# Altium PCB UHF-QM.PcbDoc (part 2 of 2)
Units mm, origin at the board's own origin, x right, y up, seen from the top; angles counter-clockwise.
Board outline 90.12 x 93.93 mm, 4 copper layers (Top Layer, Inner 1 GND, Inner 2 GND, Bottom Layer), stack 1.516 mm thick; 112 components, 73 nets, 469 pads, 219 vias.
Unrouted connection lines stored in the file: 5.
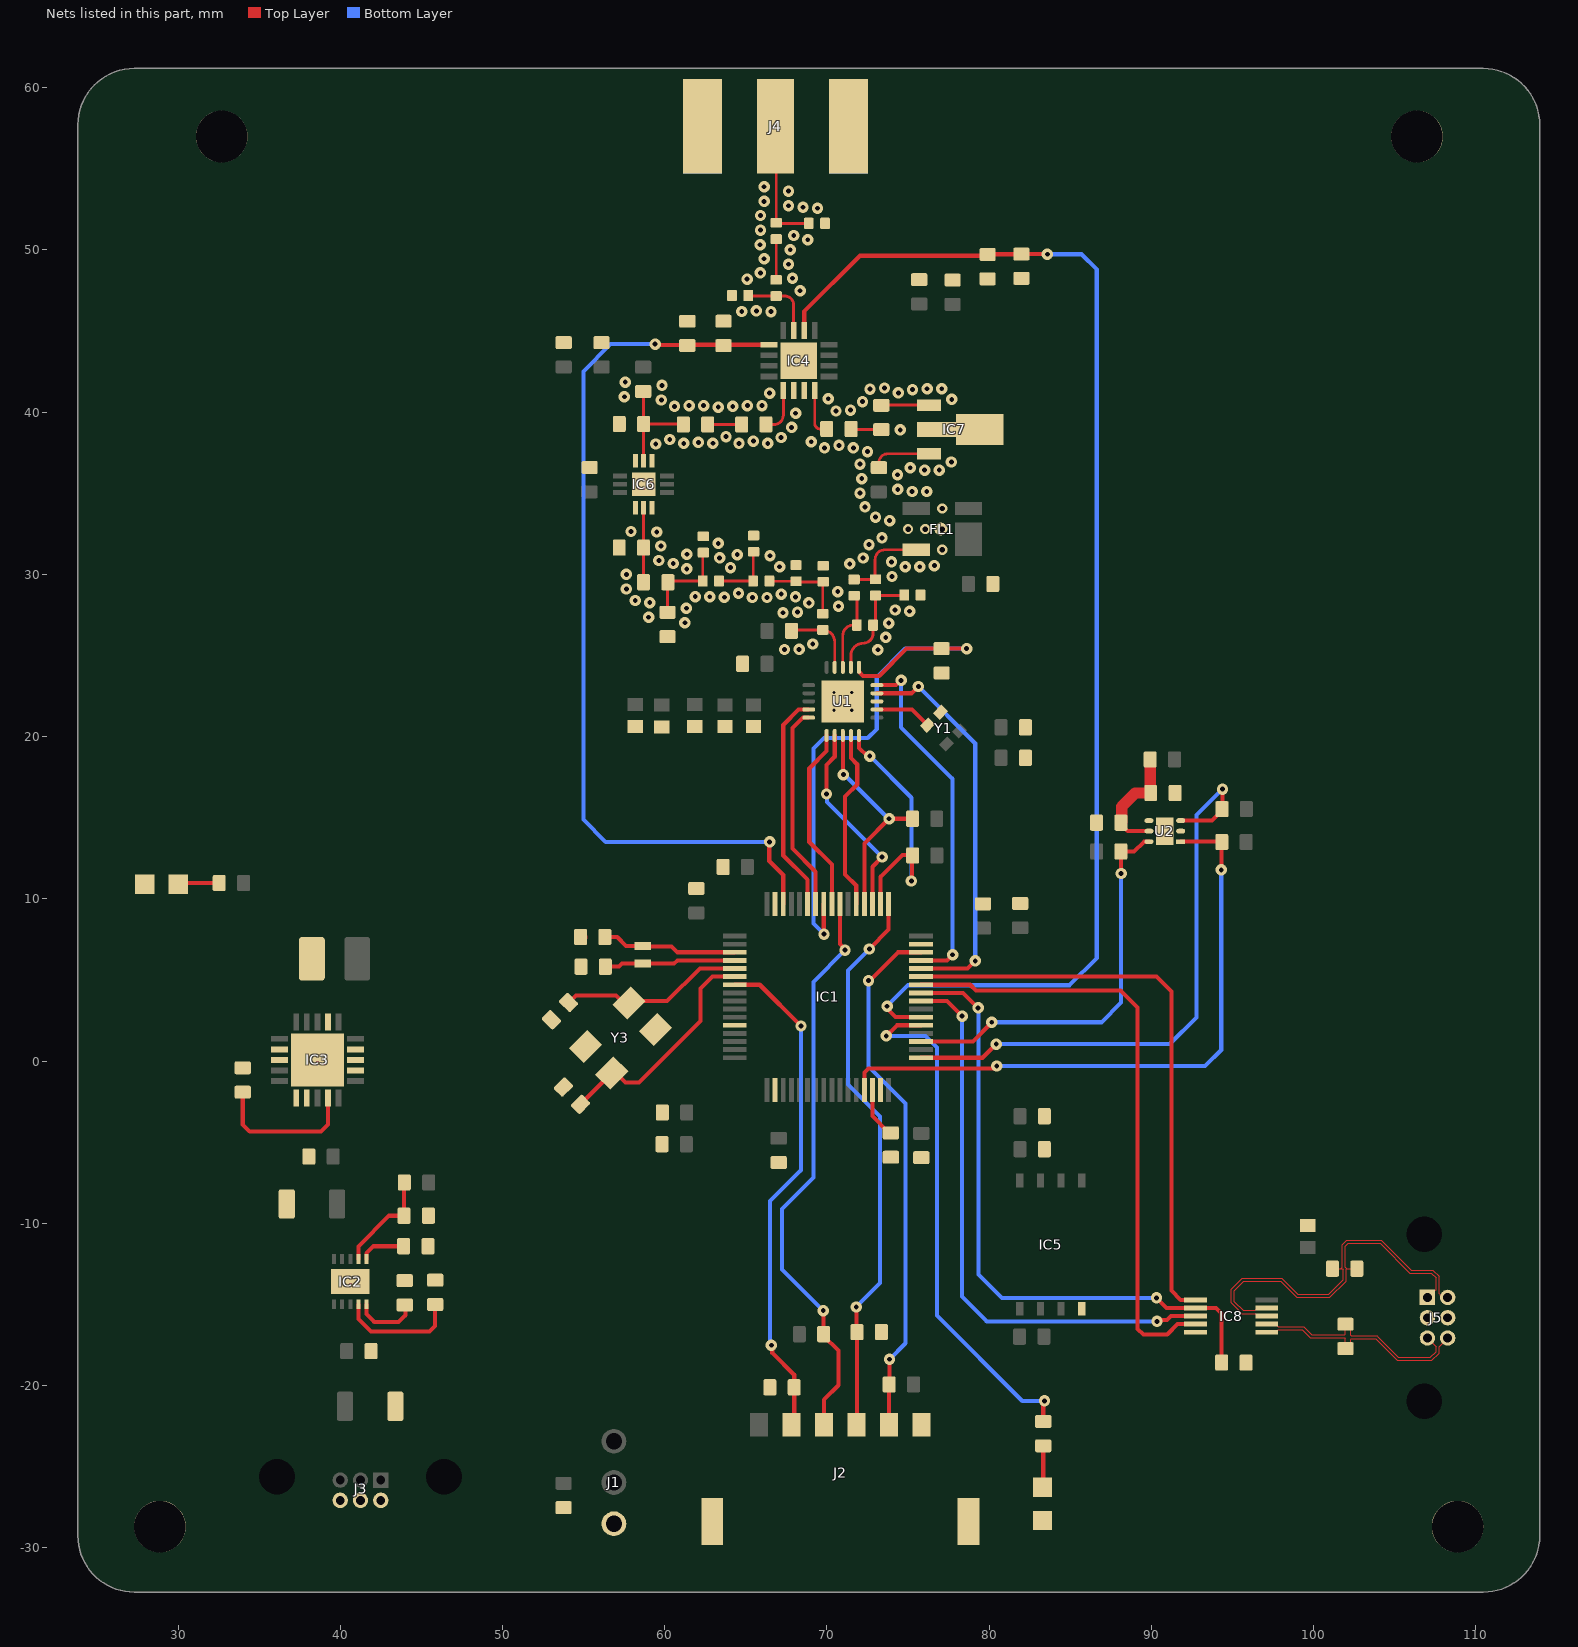
[diagram p4: the nets of this part, all layers, seen from the top]

## Via types
v1: diameter 0.7, hole 0.3, Top Layer to Bottom Layer, 210 vias
v2: diameter 0.63, hole 0.33, Top Layer to Bottom Layer, tented both sides, 5 vias
v3: diameter 0.5, hole 0.2, Top Layer to Bottom Layer, tented both sides, 4 vias

## Nets (pads, with @x,y where several pads share a name; then routed paths per layer and width w, separated by ;. In a path a pad name is that pad's centre, name@x,y a point inside that pad or via, vN(x,y) a via of type N, cw(c..) or ccw(c..) an arc to the next point about the centre after c; other vN are vias at no path point) (continued)
GND: C1.1 C2.1 C3.2 C5.1 C6.1 C7.1 C8.2 C9.2 C10.2 C11.2 C12.2 C13.2 C14.1 C15.1 C16.2 C17.1 C18.1 C19.1 C20.1 C21.1 C22.1 C23.2 C24.2 C25.1 C26.1 C27.1 C28.1 C29.1 C30.1 C31.1 C32.1 C33.1 C34.1 C35.1 C36.2 C37.2 C39.1 C40.1 C43.2 C44.2 C45.1 C46.1 C47.1 C48.1 C49.2 C50.2 C51.2 C54.1 C55.1 C56.1 C60.1 C61.2 FL1.5 IC1.12 IC1.18 IC1.31 IC1.47 IC1.63 IC2.11 IC3.2 IC3.7 IC3.8 IC3.11 IC3.12 IC3.17 IC3.18 IC3.19 IC3.21 IC4.10 IC4.11 IC4.17 IC5.4 IC6.1 IC6.3 IC6.7 IC6.9 IC6.13 IC7.2 IC7.4 IC8.5 J1.3 J2.6 J2.7 J2.8 J3.4 J3.5 J3.6 J4.2 J5.2 J5.5 L4.2 L7.1 LED1.2 LED2.2 pad.1@28.88,-28.702 pad.1@32.69,56.998 pad.1@106.375,56.998 pad.1@108.88,-28.702 R3.2 R4.1 R7.2 R8.2 R10.2 R11.1 R19.2 U1.18 U1.21 U2.2 U2.4 U2.7 Y1.2 Y3.2 Y3.4 | length 0
  Top Layer w0.7: C15.1@54.825,5.829 C15.1@54.837,5.817 ; C14.1@54.876,7.645 C14.1@54.889,7.633
  other v1: 73.143,25.357 67.39,25.371 68.29,25.377 69.126,25.711 73.625,26.117 73.809,26.998 61.244,27.015 59.009,27.36 67.292,27.638 68.191,27.676 75.1,27.727 74.204,27.807 61.336,27.91 70.715,28.036 59.078,28.257 68.888,28.245 58.187,28.39 65.407,28.579 66.307,28.579 63.681,28.591 68.067,28.612 61.882,28.626 62.782,28.618 67.183,28.784 64.546,28.841 70.67,28.935 57.636,29.101 74.011,29.872 57.64,30.001 61.359,30.341 64.056,30.417 67.085,30.474 74.827,30.471 75.727,30.471 76.624,30.539 71.411,30.646 60.524,30.675 73.978,30.771 59.642,30.856 63.384,31.016 72.233,31.014 66.49,31.149 64.469,31.216 61.371,31.241 59.762,31.748 72.596,31.838 63.3,31.912 73.395,32.251 59.509,32.611 57.921,32.645 73.865,33.311 72.993,33.533 72.353,34.166 72.039,35.009 75.257,35.112 76.157,35.112 74.367,35.241 72.148,35.902 74.349,36.141 76.027,36.428 76.927,36.428 75.139,36.572 72.039,36.796 77.674,36.93 72.499,37.569 69.854,37.8 71.629,37.8 70.742,37.951 59.45,38.042 61.177,38.079 62.973,38.082 64.577,38.079 66.356,38.079 62.075,38.139 69.039,38.181 65.466,38.216 60.308,38.313 67.181,38.439 63.776,38.49 74.519,38.913 67.826,39.067 68.07,39.933 70.56,40.069 71.458,40.127 63.299,40.313 60.605,40.358 64.198,40.358 61.504,40.401 62.404,40.407 65.097,40.401 65.997,40.407 72.191,40.65 59.796,40.753 77.694,40.787 70.081,40.831 57.513,40.954 66.47,41.172 74.403,41.188 75.28,41.389 72.658,41.419 76.178,41.448 77.078,41.443 73.555,41.489 59.832,41.652 57.571,41.852 64.754,46.205 66.553,46.202 65.654,46.242 68.35,47.489 65.082,48.205 67.882,48.257 65.896,48.59 67.629,49.121 66.128,49.459 67.744,50.014 65.882,50.325 68.819,50.626 67.958,50.888 65.909,51.225 65.91,52.125 69.422,52.574 68.524,52.632 67.629,52.725 66.128,52.998 67.629,53.625 66.128,53.898
  other v2: 77.114,31.521 75.006,32.791 76.06,32.791 77.114,32.791 77.114,34.061
  other v3: 70.431,21.62 71.531,21.62 70.431,22.72 71.531,22.72
GPIO_1: IC1.37 R20.2 | length 32.5
  Top Layer w0.254: v1(73.66,1.549) 74.312,2.202 IC1.37@75.796,2.202 ; R20.2@83.337,-22.225 83.337,-21.031 v1(83.414,-20.955)
  Bottom Layer w0.254: v1(73.66,1.549) 76.073,1.549 76.784,0.838 76.784,-15.697 82.042,-20.955 v1(83.414,-20.955)
HSE_IN: C13.1 IC1.5 Y3.3 | length 11.5
  Top Layer w0.254: C13.1@54.074,3.604 54.098,3.604 54.533,4.039 57.007,4.039 57.464,3.582 Y3.3@57.798,3.582 57.904,3.688 60.152,3.688 62.166,5.702 IC1.5@64.32,5.702
HSE_OUT: C16.1 IC1.6 Y3.1 | length 14.4
  Top Layer w0.254: C16.1@54.813,-2.667 56.737,-0.743 Y3.1@56.737,-0.731 56.992,-0.731 57.582,-1.321 58.42,-1.321 62.205,2.464 62.205,4.47 62.936,5.202 IC1.6@64.32,5.202
LNAIN: C59.2 IC7.1 | length 2.9
  Top Layer w0.175: C59.2@73.355,40.437 IC7.1@76.289,40.437
  Top Layer w0.18: C59.2@73.355,40.425 C59.2@73.355,40.437
Lnaout: C58.1 IC7.3 | length 3.7
  Top Layer w0.175: C58.1@73.203,36.577 73.203,36.881 cw(c73.761,36.881) 73.761,37.439 IC7.3@76.289,37.439
LSE_IN: C14.2 IC1.3 Y2.1 | length 8.4
  Top Layer w0.254: C14.2@56.312,7.645 57.074,7.645 57.619,7.1 Y2.1@58.65,7.1 58.689,7.061 60.427,7.061 60.786,6.702 IC1.3@64.32,6.702
LSE_OUT: C15.2 IC1.4 Y2.2 | length 8.1
  Top Layer w0.254: C15.2@56.337,5.817 57.175,5.817 57.359,6 60.585,6 60.786,6.202 IC1.4@64.32,6.202
NetC4_2: C4.2 C5.2 L2.1 L4.1 | length 5.4
  Top Layer w0.175: C4.2@69.748,27.576 L4.1@69.748,29.515 ; L2.1@66.456,29.574 L2.1@66.456,29.591 L2.1@66.456,29.574 ; L2.1@66.456,29.574 C5.2@68.097,29.574 ; C5.2@68.097,29.574 ccw(c68.131,29.574) C5.2@68.131,29.54 ; C5.2@68.097,29.574 ccw(c68.131,29.574) C5.2@68.131,29.54 ; C5.2@68.131,29.54 L4.1@69.774,29.54 ; L4.1@69.748,29.515 cw(c69.774,29.515) L4.1@69.774,29.54 ; L4.1@69.748,29.515 cw(c69.774,29.515) L4.1@69.774,29.54
NetC6_2: C6.2 L2.2 L3.1 | length 4
  Top Layer w0.175: L3.1@63.348,29.591 L2.2@65.456,29.591 C6.2@65.456,31.369 ; C6.2@65.456,31.369 cw(c65.481,31.369) C6.2@65.481,31.394 ccw(c65.481,31.369) C6.2@65.456,31.369
NetC23_1: C23.1 IC2.6 | length 2.8
  Top Layer w0.254: IC2.6@41.618,-12.201 41.618,-11.849 42.05,-11.417 C23.1@43.907,-11.417
NetC24_1: C24.1 IC2.4 | length 7.4
  Top Layer w0.254: IC2.4@41.118,-15.001 41.118,-15.907 41.897,-16.686 45.497,-16.686 45.851,-16.332 C24.1@45.851,-15.014
NetC25_2: C25.2 IC2.7 R9.2 | length 6.4
  Top Layer w0.254: IC2.7@41.118,-12.201 41.118,-11.434 43.015,-9.537 C25.2@43.932,-9.537 43.94,-9.53 43.94,-7.493 R9.2@43.947,-7.486
NetC26_2: C26.2 IC3.14 | length 9.2
  Top Layer w0.254: C26.2@33.985,-1.918 33.985,-3.912 34.417,-4.343 38.811,-4.343 39.243,-3.912 IC3.14@39.243,-2.286
NetC38_1: C38.1 L5.2 | length 2.5
  Top Layer w0.175: L5.2@66.87,48.158 66.878,48.158 C38.1@66.878,50.673
NetC38_2: C38.2 C40.2 J4.1 | length 8.1
  Top Layer w0.175: C40.2@68.885,51.638 C38.2@66.913,51.638 ; C38.2@66.878,51.673 ccw(c66.913,51.673) C38.2@66.913,51.638 ; C38.2@66.878,51.673 ccw(c66.913,51.673) C38.2@66.913,51.638 ; C38.2@66.878,51.673 J4.1@66.878,57.582 ; J4.1@66.878,57.582 ccw(c66.827,57.582) J4.1@66.827,57.633 cw(c66.827,57.582) J4.1@66.878,57.582
NetC39_2: C39.2 IC4.3 L5.1 | length 4.8
  Top Layer w0.175: IC4.3@67.95,45.03 67.95,46.604 ccw(c67.386,46.604) 67.386,47.168 L5.1@66.87,47.168 ; C39.2@65.186,47.158 cw(c65.186,47.193) C39.2@65.151,47.193 ccw(c65.186,47.193) C39.2@65.186,47.158 ; C39.2@65.186,47.158 L5.1@66.87,47.158 ; L5.1@66.87,47.158 L5.1@66.87,47.168 ; L5.1@66.87,47.158 L5.1@66.87,47.168
NetC47_2: C47.2 C48.2 R13.1 U2.5 | length 7.1
  Top Layer w0.254: C48.2@88.124,14.594 88.545,14.173 U2.5@89.854,14.173
  Top Layer w0.7: C48.2@88.124,14.694 88.174,14.744 88.174,15.682 89.014,16.523 C47.2@89.965,16.523 ; C47.2@89.928,16.56 R13.1@89.928,18.593
NetIC2_5: IC2.5 R8.1 | length 4.1
  Top Layer w0.254: IC2.5@41.618,-15.001 41.618,-15.607 42.097,-16.086 43.597,-16.086 44.011,-15.672 44.011,-15.179 R8.1@43.871,-15.039
NetLED1_1: LED1.1 R20.1 | length 2.6
  Top Layer w0.254: LED1.1@83.292,-26.271 83.337,-26.226 R20.1@83.337,-23.725
NetLED2_1: LED2.1 R21.1 | length 2.6
  Top Layer w0.254: LED2.1@30.004,10.903 30.074,10.973 R21.1@32.536,10.973
NRST: C17.2 IC1.7 J2.2 | length 31.2
  Top Layer w0.254: IC1.7@64.32,4.702 65.859,4.702 v1(68.402,2.159) ; v1(66.573,-17.526) 66.633,-17.586 66.633,-17.992 67.984,-19.343 67.984,-22.25 J2.2@67.824,-22.41
  Bottom Layer w0.254: v1(66.573,-17.526) 66.497,-17.45 66.497,-8.636 68.402,-6.731 v1(68.402,2.159)
PA_IN: C7.2 C52.2 L3.2 L7.2 | length 6
  Top Layer w0.175: L7.2@60.173,27.661 C52.2@60.173,29.489 ; C52.2@60.173,29.489 cw(c60.198,29.489) C52.2@60.198,29.515 ; C52.2@60.173,29.489 cw(c60.198,29.489) C52.2@60.198,29.515 ; C52.2@60.198,29.515 cw(c60.274,29.515) C52.2@60.274,29.591 ; C52.2@60.198,29.515 cw(c60.274,29.515) C52.2@60.274,29.591 ; C52.2@60.274,29.591 L3.2@62.348,29.591 C7.2@62.348,31.309 ; C7.2@62.348,31.309 cw(c62.382,31.309) C7.2@62.382,31.344 ccw(c62.382,31.309) C7.2@62.348,31.309
PA_IN_2: C52.1 C54.2 IC6.2 | length 4.6
  Top Layer w0.175: C52.1@58.698,29.515 C54.2@58.698,31.65 IC6.2@58.698,34.11
  Top Layer w0.18: IC6.2@58.698,34.11 IC6.2@58.699,34.11 IC6.2@58.698,34.11
PAout: C53.2 C55.2 IC6.8 L6.1 | length 6.8
  Top Layer w0.175: IC6.8@58.699,37.01 C55.2@58.699,39.268 ; C55.2@58.699,39.268 L6.1@58.699,41.25 ; C55.2@58.699,39.268 C53.2@61.124,39.268 ; L6.1@58.699,41.25 L6.1@58.674,41.275 L6.1@58.699,41.25 ; C53.2@61.124,39.268 cw(c61.124,39.243) C53.2@61.15,39.243 ccw(c61.124,39.243) C53.2@61.124,39.268
RF1TX: C41.1 IC4.9 | length 2.9
  Top Layer w0.175: C41.1@66.243,39.243 66.751,39.243 ccw(c66.751,39.802) 67.31,39.802 ; IC4.9@67.3,41.33 67.31,41.33 67.32,41.33 67.32,39.802
RF2RX: C42.1 IC4.12 | length 3
  Top Layer w0.175: IC4.12@69.25,41.33 69.25,39.309 ccw(c69.596,39.309) 69.596,38.964 C42.1@69.989,38.964
RF_Tx: C4.1 L1.2 U1.4 | length 4.6
  Top Layer w0.175: L1.2@67.877,26.576 C4.1@69.748,26.576 cw(c69.748,25.844) 70.481,25.844 U1.4@70.481,24.27
rfBIAS: C57.2 FL1.2 L8.1 | length 5.8
  Top Layer w0.175: C57.2@71.425,29.685 L8.1@72.974,29.685 ; FL1.2@75.504,31.521 73.584,31.521 ccw(c73.584,30.912) 72.974,30.912 L8.1@72.974,29.727 ; L8.1@72.974,29.685 L8.1@72.982,29.685 ; L8.1@72.974,29.685 L8.1@72.982,29.685 ; L8.1@72.974,29.727 ccw(c73,29.727) L8.1@73,29.702 ; L8.1@72.974,29.727 ccw(c73,29.727) L8.1@73,29.702 ; L8.1@72.982,29.685 L8.1@73,29.702 ; L8.1@72.982,29.685 L8.1@73,29.702
RFRx_N: C57.1 L9.2 U1.3 | length 5.4
  Top Layer w0.175: U1.3@70.981,24.27 70.981,26.226 cw(c71.628,26.226) 71.628,26.873 L9.2@71.847,26.873 C57.1@71.847,28.516 ; C57.1@71.847,28.516 ccw(c71.679,28.516) C57.1@71.679,28.685 cw(c71.679,28.516) C57.1@71.847,28.516
RFRx_P: C60.2 L8.2 L9.1 U1.2 | length 7.4
  Top Layer w0.175: U1.2@71.481,24.27 71.481,24.999 cw(c72.238,24.999) 72.238,25.756 ccw(c72.238,26.365) 72.847,26.365 L9.1@72.847,26.873 ; L9.1@72.847,26.873 ccw(c72.847,27.026) L9.1@73,27.026 ; L9.1@72.847,26.873 ccw(c72.847,27.026) L9.1@73,27.026 ; L9.1@73,27.026 L8.2@73,28.702 C60.2@74.743,28.702 ; C60.2@74.743,28.702 ccw(c74.743,28.727) C60.2@74.768,28.727 cw(c74.743,28.727) C60.2@74.743,28.702
RS485_DE: IC1.40 IC8.3 | length 35.4
  Top Layer w0.254: IC1.40@75.796,3.702 77.4,3.702 v1(78.334,2.769) ; v1(90.348,-16.053) 90.433,-15.967 90.961,-15.967 91.206,-15.723 IC8.3@92.72,-15.723
  Bottom Layer w0.254: v1(78.334,2.769) 78.334,-14.529 79.858,-16.053 v1(90.348,-16.053)
RS485_RE: IC1.41 IC8.2 R19.1 | length 39.4
  Top Layer w0.254: IC1.41@75.796,4.202 78.399,4.202 v1(79.324,3.277) ; v1(90.322,-14.605) 90.94,-15.223 IC8.2@92.72,-15.223 93.988,-15.223 94.336,-15.57 R19.1@94.336,-18.593
  Bottom Layer w0.254: v1(79.324,3.277) 79.35,3.251 79.35,-13.157 80.797,-14.605 v1(90.322,-14.605)
RS485_RX: IC1.43 IC8.1 | length 36
  Top Layer w0.254: IC1.43@75.796,5.202 90.328,5.202 91.237,4.293 91.237,-14.148 91.812,-14.723 IC8.1@92.72,-14.723
RS485_TX: IC1.42 IC8.4 | length 37.7
  Top Layer w0.254: IC1.42@75.796,4.702 78.839,4.702 79.197,4.343 88.113,4.343 89.154,3.302 89.154,-16.51 89.51,-16.866 90.983,-16.866 91.626,-16.223 IC8.4@92.72,-16.223
Si_GPIO0: IC1.59 U1.9 | length 13.6
  Top Layer w0.254: IC1.59@68.808,9.69 68.808,11.177 67.31,12.675 67.31,20.726 68.254,21.67 U1.9@68.881,21.67
Si_GPIO1: IC1.58 U1.10 | length 12.7
  Top Layer w0.254: U1.10@68.881,21.17 68.516,21.17 67.869,20.523 67.869,13.106 69.308,11.667 IC1.58@69.308,9.69
Si_GPIO2: IC1.44 U1.19 | length 24.6
  Top Layer w0.254: U1.19@73.081,22.67 75.223,22.67 v1(75.641,23.089) ; IC1.44@75.796,5.702 78.676,5.702 v1(79.146,6.172)
  Bottom Layer w0.254: v1(75.641,23.089) 79.146,19.583 v1(79.146,6.172)
Si_GPIO3: IC1.45 U1.20 | length 21.9
  Top Layer w0.254: U1.20@73.081,23.17 74.25,23.17 74.549,23.47 v1(74.574,23.47) ; IC1.45@75.796,6.202 77.398,6.202 v1(77.749,6.553)
  Bottom Layer w0.254: v1(74.574,23.47) 74.574,20.574 77.749,17.399 v1(77.749,6.553)
Si_NIRQ: IC1.56 U1.11 | length 11.4
  Top Layer w0.254: U1.11@69.981,20.07 69.981,19.105 68.91,18.034 68.91,13.513 70.308,12.115 IC1.56@70.308,9.69
Si_NSEL: IC1.50 R1.2 U1.15 | length 16.2
  Top Layer w0.254: U1.15@71.981,20.07 71.981,19.306 72.492,18.796 v1(72.644,18.796) ; IC1.50@73.308,9.69 73.308,11.357 74.652,12.701 75.257,12.701 R1.2@75.284,12.675 75.247,12.637 75.247,11.137 v1(75.209,11.1)
  Bottom Layer w0.254: v1(72.644,18.796) 75.209,16.231 v1(75.209,11.1)
Si_SCLK: IC1.51 U1.12 | length 12.3
  Top Layer w0.254: v1(69.977,16.459) 69.977,18.255 70.481,18.759 U1.12@70.481,20.07 ; IC1.51@72.808,9.69 72.808,11.975 v1(73.406,12.573)
  Bottom Layer w0.254: v1(69.977,16.459) 70.011,16.425 70.011,15.968 v1(73.406,12.573)
Si_SDI: IC1.53 U1.14 | length 11.1
  Top Layer w0.254: U1.14@71.481,20.07 71.481,18.681 71.871,18.292 71.871,17.058 71.12,16.307 71.12,11.506 71.808,10.818 IC1.53@71.808,9.69
Si_SDN: IC1.57 R3.1 U1.1 | length 35.2
  Top Layer w0.254: IC1.57@69.808,9.69 69.808,7.84 v1(69.825,7.823) ; U1.1@71.981,24.27 71.981,23.999 72.233,23.747 73.227,23.747 74.902,25.423 R3.1@77.072,25.423 78.61,25.423 v1(78.613,25.425)
  Bottom Layer w0.254: v1(69.825,7.823) 69.17,8.478 69.17,19.259 69.825,19.914 72.517,19.914 73.076,20.472 73.076,23.673 74.828,25.425 v1(78.613,25.425)
Si_SDO: IC1.52 R2.2 U1.13 | length 13.7
  Top Layer w0.254: U1.13@70.981,20.07 70.981,17.69 v1(71.018,17.653) ; IC1.52@72.308,9.69 72.308,13.405 v1(73.838,14.935) R2.2@75.272,14.935
  Bottom Layer w0.254: v1(71.018,17.653) 71.069,17.653 73.787,14.935 v1(73.838,14.935)
SWCLK: IC1.49 J2.4 R7.1 | length 34.6
  Top Layer w0.254: v1(71.806,-15.164) 71.83,-15.188 71.83,-16.688 R7.1@71.855,-16.713 71.855,-22.378 J2.4@71.824,-22.41 ; v1(72.619,6.909) 73.808,8.098 IC1.49@73.808,9.69
  Bottom Layer w0.254: v1(71.806,-15.164) 73.279,-13.691 73.279,-3.429 71.298,-1.448 71.298,5.588 v1(72.619,6.909)
SWDIO: IC1.46 J2.5 R5.2 | length 32.7
  Top Layer w0.254: v1(72.568,4.953) 72.644,4.953 74.393,6.702 IC1.46@75.796,6.702 ; J2.5@73.824,-22.41 73.838,-22.396 R5.2@73.838,-19.939 73.85,-19.926 73.85,-18.402 v1(73.863,-18.39)
  Bottom Layer w0.254: v1(72.568,4.953) 72.568,-0.33 74.854,-2.616 74.854,-17.399 v1(73.863,-18.39)
SWDO: IC1.55 J2.3 R6.1 | length 35.6
  Top Layer w0.254: v1(69.775,-15.391) 69.787,-15.403 69.787,-16.828 R6.1@69.799,-16.84 ; R6.1@69.799,-16.94 70.714,-17.855 70.714,-19.99 69.824,-20.88 J2.3@69.824,-22.41 ; IC1.55@70.808,9.69 70.808,7.204 71.12,6.892 v1(71.12,6.833)
  Bottom Layer w0.254: v1(69.775,-15.391) 69.772,-15.391 67.234,-12.852 67.234,-9.119 69.164,-7.188 69.164,4.877 v1(71.12,6.833)
Switch_EN: C44.1 IC1.62 IC4.5 R11.2 | length 56
  Top Layer w0.254: v1(59.411,44.196) 59.455,44.151 61.347,44.151 R11.2@61.392,44.106 ; R11.2@61.468,44.03 61.593,44.155 IC4.5@66.425,44.155 ; v1(66.472,13.513) 66.446,13.487 66.446,12.319 67.308,11.457 IC1.62@67.308,9.69
  Bottom Layer w0.254: v1(59.411,44.196) 56.667,44.196 54.991,42.52 54.991,14.884 56.363,13.513 v1(66.472,13.513)
Switch_RX: C42.2 C59.1 | length 1.9
  Top Layer w0.175: C42.2@71.528,38.925 C59.1@73.355,38.925
  Top Layer w0.18: C42.2@71.489,38.964 ccw(c71.528,38.964) C42.2@71.528,38.925
Switch_TX: C41.2 C53.1 | length 2.1
  Top Layer w0.175: C53.1@62.65,39.243 C41.2@64.743,39.243
Switch_VCTL: C43.1 IC1.38 IC4.2 R10.1 | length 80.1
  Top Layer w0.254: IC4.2@68.6,45.03 68.6,46.197 72.048,49.645 79.68,49.645 C43.1@79.832,49.797 ; v1(73.711,3.378) 73.711,3.226 74.235,2.702 IC1.38@75.796,2.702 ; C43.1@79.908,49.721 79.921,49.734 81.978,49.734 R10.1@81.991,49.747 83.579,49.747 v1(83.591,49.735)
  Bottom Layer w0.254: v1(73.711,3.378) 75.006,4.674 84.963,4.674 86.639,6.35 86.639,48.793 85.698,49.735 v1(83.591,49.735)
Temp_Alert: IC1.33 R14.1 U2.3 | length 36.9
  Top Layer w0.254: IC1.33@75.796,0.202 79.602,0.202 v1(80.442,1.041) ; U2.3@91.81,14.823 93.75,14.823 94.359,15.432 R14.1@94.359,15.532 94.386,15.56 v1(94.386,16.764)
  Bottom Layer w0.254: v1(80.442,1.041) 91.135,1.041 92.786,2.692 92.786,15.164 v1(94.386,16.764)
Temp_SCL: IC1.29 R16.1 U2.1 | length 39
  Top Layer w0.254: IC1.29@72.308,-1.786 72.308,-0.717 72.568,-0.457 80.315,-0.457 v1(80.467,-0.305) ; U2.1@91.81,13.523 94.323,13.523 R16.1@94.346,13.5 94.328,13.482 94.328,11.803 v1(94.31,11.786)
  Bottom Layer w0.254: v1(80.467,-0.305) 93.32,-0.305 94.31,0.686 v1(94.31,11.786)
Temp_SDA: IC1.35 R15.1 U2.6 | length 24.6
  Top Layer w0.254: IC1.35@75.796,1.202 79.002,1.202 80.162,2.362 v1(80.162,2.388) ; v1(88.138,11.557) 88.124,11.571 R15.1@88.124,12.916 88.938,12.916 89.538,13.515 89.847,13.515 U2.6@89.854,13.523
  Bottom Layer w0.254: v1(80.162,2.388) 86.919,2.388 88.138,3.607 v1(88.138,11.557)
UHF_IN_N: IC8.8 J5.4 R17.1 | length 23.3
  Top Layer w0.063: IC8.8@97.12,-15.723 96.57,-15.723 96.415,-15.567 95.589,-15.567 95.395,-15.374 94.933,-14.912 94.933,-14.069 95.617,-13.386 98.044,-13.386 99.035,-14.376 100.932,-14.376 101.823,-13.485 101.823,-12.838 101.787,-12.802 R17.1@101.168,-12.802 101.664,-12.802 101.766,-12.7 101.766,-11.338 102.055,-11.049 104.177,-11.049 106.02,-12.891 107.35,-12.891 107.741,-13.282 107.741,-14.353 107.793,-14.406 108.101,-14.406 J5.4@108.271,-14.576
UHF_IN_P: IC8.9 J5.1 R17.2 | length 22.4
  Top Layer w0.063: IC8.9@97.12,-15.223 96.57,-15.223 96.415,-15.378 95.667,-15.378 95.123,-14.834 95.123,-14.148 95.695,-13.575 97.965,-13.575 98.956,-14.566 101.011,-14.566 102.013,-13.564 102.013,-12.838 102.05,-12.802 R17.2@102.668,-12.802 102.057,-12.802 101.956,-12.7 101.956,-11.416 102.133,-11.239 104.099,-11.239 105.941,-13.081 107.272,-13.081 107.551,-13.36 107.551,-14.095 107.514,-14.132 107.464,-14.132 J5.1@107.021,-14.576
UHF_OUT_N: IC8.6 J5.6 R18.1 | length 13.8
  Top Layer w0.063: IC8.6@97.12,-16.723 97.67,-16.723 97.825,-16.567 99.31,-16.567 99.813,-17.071 101.934,-17.071 101.971,-17.107 R18.1@101.971,-17.726 102.286,-17.411 102.286,-17.17 102.322,-17.134 103.835,-17.134 105.154,-18.452 107.29,-18.452 107.741,-18.001 107.741,-17.606 J5.6@108.271,-17.076
UHF_OUT_P: IC8.7 J5.3 R18.2 | length 13.6
  Top Layer w0.063: IC8.7@97.12,-16.223 97.67,-16.223 97.825,-16.378 99.389,-16.378 99.892,-16.881 101.934,-16.881 101.971,-16.844 R18.2@101.971,-16.226 102.286,-16.541 102.286,-16.907 102.322,-16.944 103.914,-16.944 103.969,-17 105.232,-18.263 107.211,-18.263 107.551,-17.923 107.551,-17.606 J5.3@107.021,-17.076
VCAP: C35.2 IC1.30 | length 3.2
  Top Layer w0.254: IC1.30@72.808,-1.786 72.808,-3.4 73.839,-4.432 C35.2@73.939,-4.432
XIN: U1.17 Y1.3 | length 3.5
  Top Layer w0.254: U1.17@73.081,21.67 75.244,21.67 Y1.3@76.208,20.707
pads on no net: FL1.4 IC1.2 IC1.8 IC1.9 IC1.10 IC1.11 IC1.14 IC1.15 IC1.21 IC1.24 IC1.25 IC1.28 IC1.34 IC1.36 IC1.39 IC1.54 IC1.61 IC3.4 IC3.5 IC3.6 IC3.9 IC3.10 IC4.4 IC4.6 IC4.7 IC4.8 IC4.13 IC4.14 IC4.15 IC4.16 IC6.4 IC6.5 IC6.6 IC6.10 IC6.11 J3.7 J3.8 J5.7 J5.8 U1.5 U1.7 U1.16 Y1.1

## Polygon pours and split planes (outlines as drawn)
GND on Top Layer (solid, pour order 24): 1472 vertices, not listed, extent 57.152,22.855 78.052,42.869
GND on Top Layer (solid, pour order 23): 346 vertices, not listed, extent 63.831,43.491 70.205,61.566
3v3 on Top Layer "3V3_L01_P022" (solid, remove dead copper, pour order 22): 56.879,21.641 57.302,21.285 67.386,21.285 67.97,21.869 69.375,21.869 69.494,21.989 69.494,23.465 69.414,23.546 67.361,23.546 66.929,23.978 66.929,26.873 66.682,27.071 65.889,27.071 65.654,26.836 65.654,23.871 65.456,23.673 57.7,23.673 56.879,23.032
12vefuse on Top Layer "12VEFUSE_L01_P010" (solid, pour order 10): 40.716,-12.598 40.843,-12.471 40.843,-7.341 42.57,-5.613 42.57,-1.245 42.316,-0.991 40.437,-0.991 40.335,-1.092 40.335,-1.587 40.217,-1.676 40.208,-1.676 39.7,-1.676 39.573,-1.803 39.573,-4.572 38.811,-5.334 38.811,-12.344 39.065,-12.598
GND on Top Layer "GND_L01_P008" (solid, remove dead copper, pour order 8): 23.919,-29.666 ccw(c27.492,-28.978) 27.646,-32.614 111.836,-32.614 ccw(c111.836,-30.531) 113.919,-30.531 113.919,57.746 ccw(c110.502,57.746) 110.501,61.163 27.559,61.163 ccw(c27.559,57.43) 23.884,58.09
12v on Top Layer "12V_L01_P000" (solid, pour order 0): 43.32,-26.34 39.101,-26.34 38.71,-25.949 38.71,-14.923 39.047,-14.586 40.747,-14.586 40.843,-14.682 40.843,-16.782 41.173,-17.113 41.173,-20.113 42.347,-21.286 42.347,-21.925 43.586,-23.165 43.586,-26.162
3v3 on Top Layer "3V3_L01_P003" (solid, pour order 3): 40.183,1.803 40.361,1.626 40.361,1.194 40.437,1.118 45.263,1.118 45.872,1.727 45.872,8.941 44.933,9.881 40.361,9.881 39.522,9.042 39.522,1.93 39.649,1.803
GND on Inner 1 GND "GND_L02_P007" (solid, remove dead copper, pour order 7): 23.919,-29.666 ccw(c27.492,-28.978) 27.646,-32.614 110.603,-32.614 ccw(c110.603,-29.297) 113.919,-29.297 113.919,57.746 ccw(c110.501,57.746) 110.501,61.163 27.559,61.163 ccw(c27.559,57.43) 23.884,58.09
GND on Inner 2 GND "GND_L03_P006" (solid, remove dead copper, pour order 6): 23.919,-29.666 ccw(c27.492,-28.978) 27.646,-32.614 110.603,-32.614 ccw(c110.603,-29.297) 113.919,-29.297 113.919,57.746 ccw(c110.501,57.746) 110.501,61.163 27.559,61.163 ccw(c27.559,57.43) 23.884,58.09
GND on Bottom Layer "GND_L04_P009" (solid, remove dead copper, pour order 9): 23.919,-29.666 ccw(c27.492,-28.978) 27.646,-32.614 110.603,-32.614 ccw(c110.603,-29.297) 113.919,-29.297 113.919,57.746 ccw(c110.501,57.746) 110.501,61.163 27.559,61.163 ccw(c27.559,57.43) 23.884,58.09

## Other copper
Top Layer:
  pour cut-out: 68.732,62.001 64.719,62.001 64.795,61.163 68.732,61.163
  pour cut-out: 64.795,61.265 64.795,54.331 68.732,54.331 68.732,61.239 ccw(c68.707,61.239) 68.707,61.265
  pour cut-out: 71.53,26.281 71.61,26.361 72.364,26.361 72.427,26.298 72.397,26.269 72.397,25.915 72.238,25.756 72.137,25.856 71.554,25.856 71.554,25.888 71.425,26.017 71.456,26.048 71.456,26.169
  pour cut-out: 72.264,29.23 72.392,29.23 72.392,29.172 72.452,29.112 72.402,29.062 72.402,28.993 72.273,28.993 72.215,29.051 72.215,29.181
Inner 1 GND:
  pour cut-out: 64.795,61.265 64.795,54.331 68.732,54.331 68.732,61.239 ccw(c68.707,61.239) 68.707,61.265
Inner 2 GND:
  pour cut-out: 64.795,61.265 64.795,54.331 68.732,54.331 68.732,61.239 ccw(c68.707,61.239) 68.707,61.265

## Silkscreen, mask and mechanical layers (free items; w line width, h text height)
Top Overlay:
  circle w0.325: c41.011,4.149 r0.162
Top Solder:
  circle w3: c108.88,-28.702 r1.771
  circle w3: c28.88,-28.702 r1.59
  circle w3: c106.375,56.998 r1.762
  circle w3: c32.69,56.998 r1.742
  lines w0.3: 58.698,29.515 58.698,31.65 58.698,34.11 ; 58.699,37.01 58.699,39.268 ; 58.699,41.25 58.699,39.268 ; 60.173,27.661 60.173,29.489 ; 60.274,29.591 62.348,29.591 62.348,31.309 ; 61.124,39.268 58.699,39.268 ; 62.65,39.243 64.743,39.243 ; 63.348,29.591 65.456,29.591 65.456,31.369 ; 65.186,47.158 66.87,47.158 ; 66.253,39.243 66.805,39.252 ccw(c66.805,39.757) 67.31,39.757 67.31,41.33 ; 66.456,29.574 68.097,29.574 ; 66.87,47.168 67.386,47.168 cw(c67.386,46.604) 67.95,46.604 67.95,45.03 ; 66.878,48.158 66.878,50.673 ; 66.878,51.673 66.878,57.582 ; 66.913,51.638 68.885,51.638 ; 67.877,26.576 69.748,26.576 cw(c69.748,25.844) 70.481,25.844 70.481,24.27 ; 68.131,29.54 69.774,29.54 ; 69.25,41.33 69.25,39.309 ccw(c69.596,39.309) 69.596,38.964 69.989,38.964 ; 69.748,27.576 69.748,29.515 ; 70.981,24.27 70.981,26.226 cw(c71.628,26.226) 71.628,26.873 71.847,26.873 71.847,28.516 ; 71.425,29.685 72.974,29.685 ; 71.481,24.27 71.481,24.999 cw(c72.238,24.999) 72.238,25.756 ccw(c72.238,26.365) 72.847,26.365 72.847,26.873 ; 71.528,38.925 73.355,38.925 ; 72.974,29.727 72.974,30.912 cw(c73.584,30.912) 73.584,31.521 75.504,31.521 ; 73,27.026 73,28.702 74.743,28.702 ; 73.203,35.077 73.203,34.544 ccw(c73.685,34.544) 73.685,34.061 75.504,34.061 ; 73.203,36.577 73.203,36.881 cw(c73.761,36.881) 73.761,37.439 76.289,37.439 ; 73.355,40.437 76.289,40.437
  lines w2.5: 112.776,57.884 ccw(c110.868,57.884) 112.217,59.233 ccw(c110.316,57.332) 110.316,60.02 110.025,60.02 27.069,60.02 ccw(c27.069,58.199) 25.781,59.487 25.776,59.482 ccw(c27.728,57.531) 24.968,57.531 24.968,-29.395 ccw(c26.789,-29.395) 25.502,-30.683 25.794,-30.975 ccw(c27.27,-29.499) 27.27,-31.587 70.044,-31.597 110.245,-31.597 ccw(c110.245,-28.737) 112.268,-30.759 ccw(c111.042,-29.533) 112.776,-29.533 112.776,57.76 112.776,57.915
  text "3mm" at 32.69,56.998 h1.52
Bottom Solder:
  circle w3: c32.69,56.998 r1.742
  circle w3: c108.88,-28.702 r1.771
  circle w3: c28.88,-28.702 r1.59
  circle w3: c106.375,56.998 r1.762
  lines w2.5: 112.776,57.884 ccw(c110.868,57.884) 112.217,59.233 ccw(c110.316,57.332) 110.316,60.02 110.025,60.02 27.069,60.02 ccw(c27.069,58.199) 25.781,59.487 25.776,59.482 ccw(c27.728,57.531) 24.968,57.531 24.968,-29.395 ccw(c26.789,-29.395) 25.502,-30.683 25.794,-30.975 ccw(c27.27,-29.499) 27.27,-31.587 70.044,-31.597 110.245,-31.597 ccw(c110.245,-28.737) 112.268,-30.759 ccw(c111.042,-29.533) 112.776,-29.533 112.776,57.76 112.776,57.915
  text "3mm" at 32.69,56.998 h1.52
Mechanical 1:
  lines w0.15: 23.825,-29.272 ccw(c27.294,-29.272) 27.294,-32.741 36.195,-32.741 110.476,-32.741 ccw(c110.476,-29.272) 113.944,-29.272 113.944,57.72 ccw(c110.476,57.72) 110.476,61.189 27.294,61.189 ccw(c27.294,57.72) 23.825,57.72 23.825,-29.272
Top 3D Body:
  lines w0.15: 23.825,-29.272 ccw(c27.294,-29.272) 27.294,-32.741 36.195,-32.741 110.476,-32.741 ccw(c110.476,-29.272) 113.944,-29.272 113.944,57.72 ccw(c110.476,57.72) 110.476,61.189 27.294,61.189 ccw(c27.294,57.72) 23.825,57.72 23.825,-29.272
Mechanical 4:
  circle w0.013: c108.88,-28.702 r1.6
  circle w0.013: c106.375,56.998 r1.6
  circle w0.013: c32.69,56.998 r1.6
  circle w0.013: c28.88,-28.702 r1.6
Drill Drawing:
  circle w0.254: c49.313,193.808 r0.508
  circle w0.254: c49.313,193.808 r0.847
  circle w0.254: c49.313,189.998 r0.847
  lines w0.254: 48.466,196.772 48.466,197.195 48.889,197.618 48.466,198.042 48.466,198.465 48.889,198.465 49.313,198.042 49.736,198.465 50.159,198.465 50.159,198.042 49.736,197.618 50.159,197.195 50.159,196.772 49.736,196.772 49.313,197.195 48.889,196.772 48.466,196.772 ; 48.466,200.582 50.159,200.582 50.159,202.275 48.466,202.275 48.466,200.582 ; 48.466,204.392 50.159,204.392 50.159,206.085 48.466,206.085 48.466,204.392 ; 48.466,208.625 48.889,208.625 49.313,208.202 49.736,208.625 50.159,208.625 49.736,209.048 50.159,209.472 49.736,209.472 49.313,209.895 48.889,209.472 48.466,209.472 48.889,209.048 48.466,208.625 ; 48.466,212.435 48.889,212.435 48.889,212.012 49.736,212.012 49.736,212.435 50.159,212.435 50.159,213.282 49.736,213.282 49.736,213.705 48.889,213.705 48.889,213.282 48.466,213.282 48.466,212.435 ; 48.805,204.73 49.821,204.73 49.821,205.746 48.805,205.746 48.805,204.73
  lines w0.381: 46.947,188.009 318.246,188.009 ; 46.947,214.679 318.246,214.679 ; 60.94,184.199 60.94,218.489 ; 76.176,184.199 76.176,218.489 ; 105.123,184.199 105.123,218.489 ; 117.972,184.199 117.972,218.489 ; 136.611,184.199 136.611,218.489 ; 174.7,184.199 174.7,218.489 ; 189.682,184.199 189.682,218.489 ; 208.625,184.199 208.625,218.489 ; 227.67,184.199 227.67,218.489 ; 249.355,184.199 249.355,218.489 ; 283.229,184.199 283.229,218.489 ; 46.947,184.199 318.246,184.199 318.246,218.489 46.947,218.489 46.947,184.199
  text "Symbol" at 49.233,215.822 h1.83
  text "Count" at 62.083,215.822 h1.83
  text "Hole Size" at 77.319,215.822 h1.83
  text "Plated" at 106.266,215.822 h1.83
  text "Hole Type" at 119.115,215.822 h1.83
  text "Drill Layer Pair" at 137.754,215.822 h1.83
  text "Via/Pad" at 175.843,215.822 h1.83
  text "Pad Shape" at 190.825,215.822 h1.83
  text "Template" at 209.768,215.822 h1.83
  text "Description" at 228.813,215.822 h1.83
  text "Hole Tolerance (+)" at 250.498,215.822 h1.83
  text "Hole Tolerance (-)" at 284.372,215.822 h1.83
  text "3" at 62.083,212.012 h1.52
  text "1.000mm (39.37mil)" at 77.319,212.012 h1.52
  text "PTH" at 106.266,212.012 h1.52
  text "Round" at 119.115,212.012 h1.52
  text "Top Layer - Bottom Layer" at 137.754,212.012 h1.52
  text "Pad" at 175.843,212.012 h1.52
  text "Rounded" at 190.825,212.012 h1.52
  text "c152h100" at 209.768,212.012 h1.52
  text "4" at 62.083,208.202 h1.52
  text "0.200mm (7.87mil)" at 77.319,208.202 h1.52
  text "PTH" at 106.266,208.202 h1.52
  text "Round" at 119.115,208.202 h1.52
  text "Top Layer - Bottom Layer" at 137.754,208.202 h1.52
  text "Via" at 175.843,208.202 h1.52
  text "Rounded" at 190.825,208.202 h1.52
  text "v50h20m0mx0" at 209.768,208.202 h1.52
  text "4" at 62.083,204.392 h1.52
  text "2.200mm (86.61mil)" at 77.319,204.392 h1.52
  text "NPTH" at 106.266,204.392 h1.52
  text "Round" at 119.115,204.392 h1.52
  text "Top Layer - Bottom Layer" at 137.754,204.392 h1.52
  text "Pad" at 175.843,204.392 h1.52
  text "Rounded" at 190.825,204.392 h1.52
  text "c110hn220" at 209.768,204.392 h1.52
  text "4" at 62.083,200.582 h1.52
  text "3.180mm (125.20mil)" at 77.319,200.582 h1.52
  text "PTH" at 106.266,200.582 h1.52
  text "Round" at 119.115,200.582 h1.52
  text "Top Layer - Bottom Layer" at 137.754,200.582 h1.52
  text "Pad" at 175.843,200.582 h1.52
  text "Rounded" at 190.825,200.582 h1.52
  text "(Mixed)" at 209.768,200.582 h1.52
  text "5" at 62.083,196.772 h1.52
  text "0.330mm (12.99mil)" at 77.319,196.772 h1.52
  text "PTH" at 106.266,196.772 h1.52
  text "Round" at 119.115,196.772 h1.52
  text "Top Layer - Bottom Layer" at 137.754,196.772 h1.52
  text "Via" at 175.843,196.772 h1.52
  text "Rounded" at 190.825,196.772 h1.52
  text "v63h33m0mx0" at 209.768,196.772 h1.52
  text "12" at 62.083,192.962 h1.52
  text "0.550mm (21.65mil)" at 77.319,192.962 h1.52
  text "PTH" at 106.266,192.962 h1.52
  text "Round" at 119.115,192.962 h1.52
  text "Top Layer - Bottom Layer" at 137.754,192.962 h1.52
  text "Pad" at 175.843,192.962 h1.52
  text "(Mixed)" at 190.825,192.962 h1.52
  text "(Mixed)" at 209.768,192.962 h1.52
  text "210" at 62.083,189.152 h1.52
  text "0.300mm (11.81mil)" at 77.319,189.152 h1.52
  text "PTH" at 106.266,189.152 h1.52
  text "Round" at 119.115,189.152 h1.52
  text "Top Layer - Bottom Layer" at 137.754,189.152 h1.52
  text "Via" at 175.843,189.152 h1.52
  text "Rounded" at 190.825,189.152 h1.52
  text "v70h30" at 209.768,189.152 h1.52
  text "242 Total" at 62.083,185.342 h1.52

## Text inside footprints (layer, text, board x,y; h text height)
J4: Mechanical 13 "PCB EDGE" at 64.253,61.729 h0.3 r180